# Altium PCB Audio-Beamformer_V1.0.PcbDoc (part 6 of 11)
Units mm, origin at the board's own origin, x right, y up, seen from the top; angles counter-clockwise.
Board outline 300 x 376 mm, 2 copper layers (Top Layer, Bottom Layer), stack 1.548 mm thick; 1137 components, 629 nets, 3569 pads, 2808 vias.
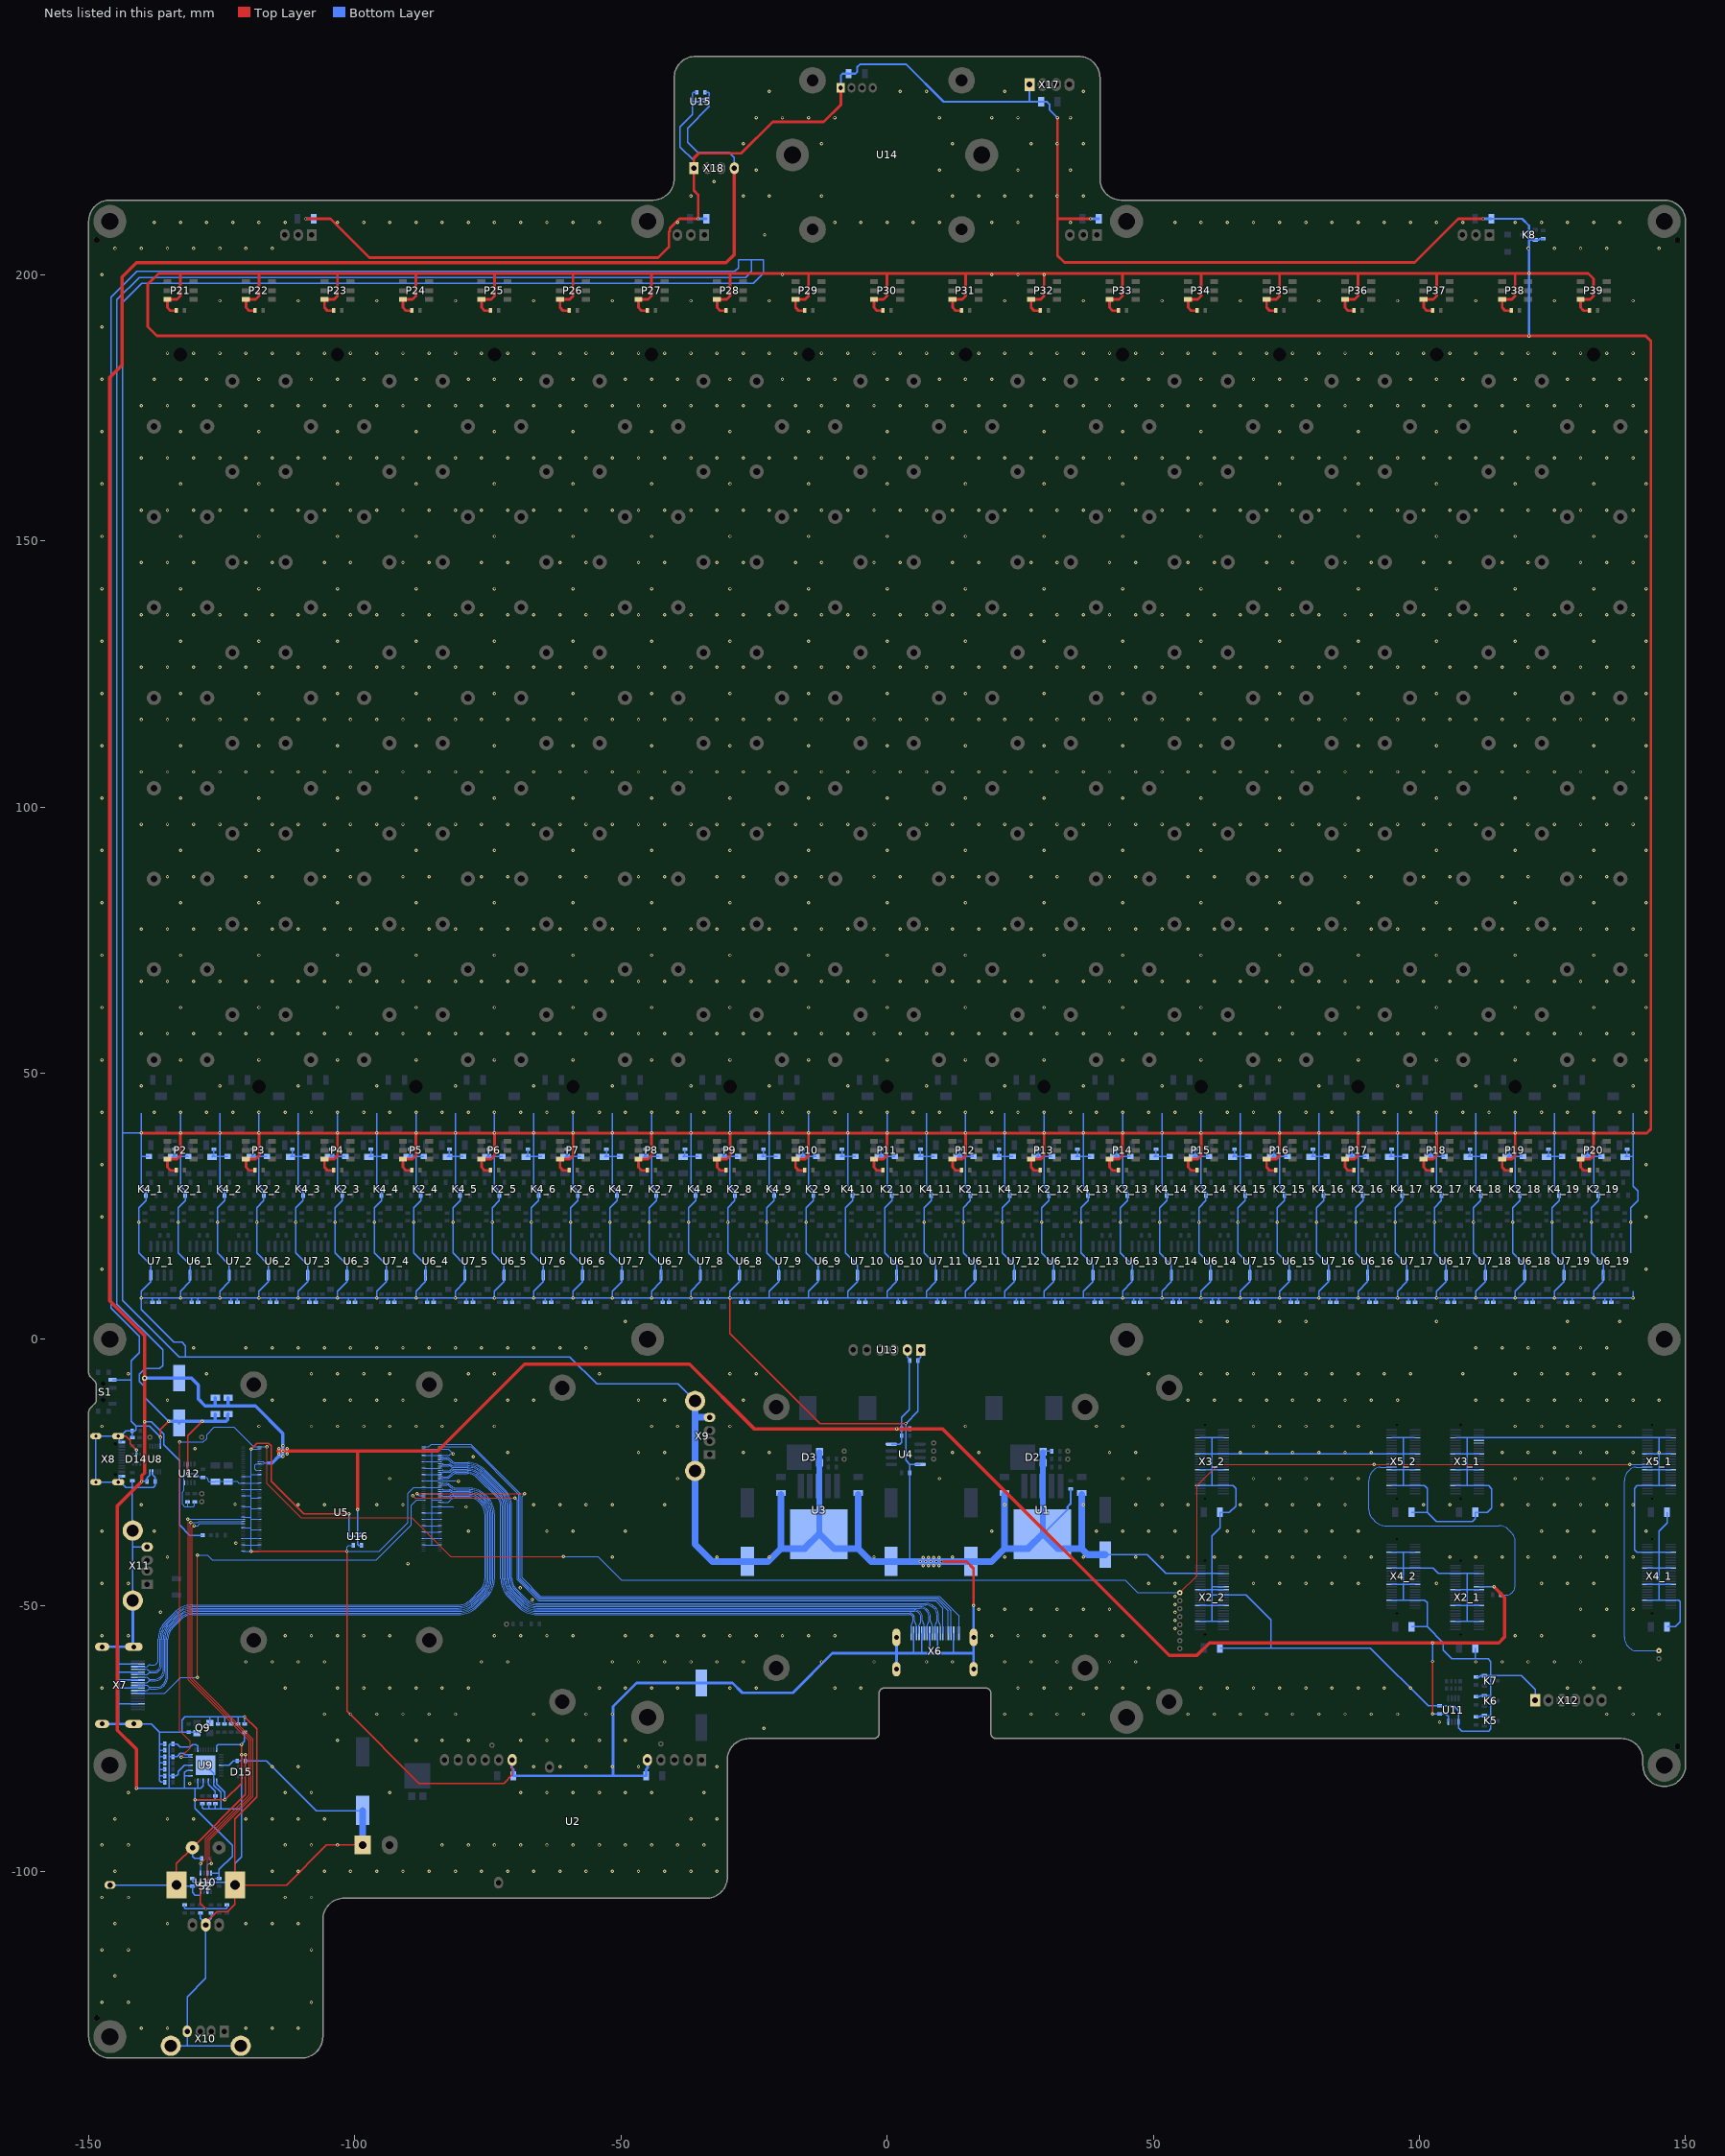
[diagram p6: the nets of this part, all layers, seen from the top]

## Via types
v1: diameter 0.62, hole 0.3, Top Layer to Bottom Layer, tented both sides, 2808 vias

## Nets (pads, with @x,y where several pads share a name; then routed paths per layer and width w, separated by ;. In a path a pad name is that pad's centre, name@x,y a point inside that pad or via, vN(x,y) a via of type N, cw(c..) or ccw(c..) an arc to the next point about the centre after c; other vN are vias at no path point) (continued)
A14_2: (continued)
  other v1: -140.125,-129.417 -135.208,-129.417 -120.458,-129.417 -115.542,-129.417 -110.625,-129.417 -147.5,-124.5 -142.583,-124.5 -108.167,-124.5 -145.042,-119.583 -147.5,-114.667 -142.583,-114.667 -108.167,-114.667 -145.042,-109.75 -135.208,-109.75 -120.458,-109.75 -115.542,-109.75 -110.625,-109.75 -147.5,-104.833 -142.583,-104.833 -113.083,-104.833 -108.167,-104.833 -145.042,-99.917 -115.542,-99.917 -110.625,-99.917 -105.708,-99.917 -100.792,-99.917 -95.875,-99.917 -90.958,-99.917 -86.042,-99.917 -81.125,-99.917 -76.208,-99.917 -71.292,-99.917 -66.375,-99.917 -61.458,-99.917 -56.542,-99.917 -51.625,-99.917 -46.708,-99.917 -41.792,-99.917 -36.875,-99.917 -31.958,-99.917 -147.5,-95 -142.583,-95 -113.083,-95 -108.167,-95 -103.25,-95 -83.583,-95 -78.667,-95 -73.75,-95 -68.833,-95 -63.917,-95 -59,-95 -54.083,-95 -49.167,-95 -44.25,-95 -39.333,-95 -34.417,-95 -145.042,-90.083 -135.208,-90.083 -130.292,-90.083 -120.458,-90.083 -115.542,-90.083 -110.625,-90.083 -105.708,-90.083 -36.875,-90.083 -31.958,-90.083 -142.583,-85.167 -113.083,-85.167 -108.167,-85.167 -93.417,-85.167 -68.833,-85.167 -63.917,-85.167 -59,-85.167 -54.083,-85.167 -49.167,-85.167 -44.25,-85.167 -34.417,-85.167 -131,-83.4 -115.542,-80.25 -110.625,-80.25 -66.375,-80.25 -61.458,-80.25 -56.542,-80.25 -51.625,-80.25 -46.708,-80.25 -31.958,-80.25 -103.25,-75.333 -88.5,-75.333 -83.583,-75.333 -78.667,-75.333 -68.833,-75.333 -63.917,-75.333 -59,-75.333 -54.083,-75.333 -49.167,-75.333 -23.15,-73.075 103.8,-71.9 -105.708,-70.417 -100.792,-70.417 -95.875,-70.417 -90.958,-70.417 -86.042,-70.417 -81.125,-70.417 -66.375,-70.417 -56.542,-70.417 -51.625,-70.417 22.125,-70.417 27.042,-70.417 31.958,-70.417 36.875,-70.417 56.542,-70.417 61.458,-70.417 66.375,-70.417 71.292,-70.417 76.208,-70.417 81.125,-70.417 86.042,-70.417 90.958,-70.417 95.875,-70.417 135.208,-70.417 140.125,-70.417 145.042,-70.417 -147.5,-65.5 -113.083,-65.5 -103.25,-65.5 -98.333,-65.5 -93.417,-65.5 -88.5,-65.5 -83.583,-65.5 -78.667,-65.5 -54.083,-65.5 -49.167,-65.5 -44.25,-65.5 -39.333,-65.5 -29.5,-65.5 -24.583,-65.5 -9.833,-65.5 -4.917,-65.5 24.583,-65.5 29.5,-65.5 34.417,-65.5 39.333,-65.5 44.25,-65.5 49.167,-65.5 59,-65.5 63.917,-65.5 68.833,-65.5 73.75,-65.5 78.667,-65.5 83.583,-65.5 88.5,-65.5 93.417,-65.5 98.333,-65.5 127.833,-65.5 132.75,-65.5 137.667,-65.5 -120.458,-60.583 -115.542,-60.583 -110.625,-60.583 -105.708,-60.583 -76.208,-60.583 -71.292,-60.583 -51.625,-60.583 -46.708,-60.583 -41.792,-60.583 -36.875,-60.583 -31.958,-60.583 -27.042,-60.583 -12.292,-60.583 -2.458,-60.583 7.375,-60.583 12.292,-60.583 22.125,-60.583 27.042,-60.583 31.958,-60.583 41.792,-60.583 46.708,-60.583 110.625,-60.583 115.542,-60.583 120.458,-60.583 125.375,-60.583 130.292,-60.583 -147.5,-55.667 -142.583,-55.667 -113.083,-55.667 -108.167,-55.667 -103.25,-55.667 -98.333,-55.667 -93.417,-55.667 -73.75,-55.667 -68.833,-55.667 -63.917,-55.667 -59,-55.667 -49.167,-55.667 -44.25,-55.667 -39.333,-55.667 -34.417,-55.667 -29.5,-55.667 -24.583,-55.667 -19.667,-55.667 -14.75,-55.667 -9.833,-55.667 19.667,-55.667 24.583,-55.667 29.5,-55.667 34.417,-55.667 39.333,-55.667 44.25,-55.667 118,-55.667 122.917,-55.667 132.75,-55.667 54.1,-54.3 54.1,-52.8 54.1,-51.3 -136.475,-51.25 17.208,-50.75 22.125,-50.75 27.042,-50.75 31.958,-50.75 36.875,-50.75 41.792,-50.75 130.292,-50.75 135.208,-50.75 140.125,-50.75 54.1,-49.8 -66.7,-48.9 54.1,-48.3 -68.9,-46.7 -147.5,-45.833 -142.583,-45.833 49.167,-45.833 54.083,-45.833 68.833,-45.833 73.75,-45.833 78.667,-45.833 83.583,-45.833 88.5,-45.833 103.25,-45.833 122.917,-45.833 127.833,-45.833 132.75,-45.833 6.75,-42.5 7.75,-42.5 8.75,-42.5 9.75,-42.5 -90,-42.125 6.25,-41.75 6.75,-41 7.75,-41 8.75,-41 9.75,-41 -135.208,-40.917 -51.625,-40.917 -31.958,-40.917 -22.125,-40.917 -2.458,-40.917 12.292,-40.917 22.125,-40.917 36.875,-40.917 46.708,-40.917 51.625,-40.917 56.542,-40.917 61.458,-40.917 66.375,-40.917 71.292,-40.917 76.208,-40.917 81.125,-40.917 86.042,-40.917 90.958,-40.917 105.708,-40.917 110.625,-40.917 115.542,-40.917 120.458,-40.917 125.375,-40.917 130.292,-40.917 135.208,-40.917 140.125,-40.917 -122.325,-38.3 -147.5,-36 -137.667,-36 -78.667,-36 -63.917,-36 -59,-36 -49.167,-36 19.667,-36 39.333,-36 44.25,-36 49.167,-36 54.083,-36 63.917,-36 68.833,-36 73.75,-36 78.667,-36 83.583,-36 88.5,-36 122.917,-36 127.833,-36 132.75,-36 142.583,-36 -79.1,-31.475 -140.125,-31.083 -110.625,-31.083 -105.708,-31.083 -95.875,-31.083 -90.958,-31.083 -66.375,-31.083 -61.458,-31.083 -56.542,-31.083 -51.625,-31.083 -41.792,-31.083 22.125,-31.083 36.875,-31.083 46.708,-31.083 51.625,-31.083 56.542,-31.083 66.375,-31.083 71.292,-31.083 76.208,-31.083 81.125,-31.083 86.042,-31.083 100.792,-31.083 105.708,-31.083 115.542,-31.083 120.458,-31.083 125.375,-31.083 130.292,-31.083 135.208,-31.083 140.125,-31.083 -122.5,-31 -80.525,-26.625 -93.417,-26.167 -39.333,-26.167 9.833,-26.167 44.25,-26.167 49.167,-26.167 68.833,-26.167 73.75,-26.167 78.667,-26.167 83.583,-26.167 88.5,-26.167 118,-26.167 122.917,-26.167 127.833,-26.167 132.75,-26.167 -77.775,-22.05 -71.292,-21.25 -46.708,-21.25 -41.792,-21.25 -27.042,-21.25 -22.125,-21.25 12.292,-21.25 17.208,-21.25 41.792,-21.25 46.708,-21.25 66.375,-21.25 71.292,-21.25 76.208,-21.25 81.125,-21.25 86.042,-21.25 90.958,-21.25 115.542,-21.25 120.458,-21.25 125.375,-21.25 130.292,-21.25 135.208,-21.25 140.125,-21.25 145.042,-21.25 -130,-20.5 -147.5,-16.333 -118,-16.333 -108.167,-16.333 -103.25,-16.333 -98.333,-16.333 -93.417,-16.333 -88.5,-16.333 -83.583,-16.333 -73.75,-16.333 -44.25,-16.333 -39.333,-16.333 -29.5,-16.333 14.75,-16.333 39.333,-16.333 44.25,-16.333 68.833,-16.333 73.75,-16.333 78.667,-16.333 83.583,-16.333 88.5,-16.333 118,-16.333 122.917,-16.333 127.833,-16.333 132.75,-16.333 137.667,-16.333 -135.208,-11.417 -115.542,-11.417 -105.708,-11.417 -100.792,-11.417 -95.875,-11.417 -90.958,-11.417 -81.125,-11.417 -71.292,-11.417 -66.375,-11.417 -46.708,-11.417 -41.792,-11.417 -27.042,-11.417 56.542,-11.417 61.458,-11.417 66.375,-11.417 71.292,-11.417 76.208,-11.417 81.125,-11.417 86.042,-11.417 90.958,-11.417 95.875,-11.417 110.625,-11.417 115.542,-11.417 120.458,-11.417 125.375,-11.417 130.292,-11.417 135.208,-11.417 140.125,-11.417 145.042,-11.417 -142.583,-6.5 -127.833,-6.5 -108.167,-6.5 -103.25,-6.5 -98.333,-6.5 -93.417,-6.5 -78.667,-6.5 -73.75,-6.5 -54.083,-6.5 -29.5,-6.5 -24.583,-6.5 49.167,-6.5 59,-6.5 63.917,-6.5 68.833,-6.5 73.75,-6.5 78.667,-6.5 83.583,-6.5 88.5,-6.5 93.417,-6.5 98.333,-6.5 108.167,-6.5 118,-6.5 122.917,-6.5 127.833,-6.5 132.75,-6.5 137.667,-6.5 -130.292,-1.583 -120.458,-1.583 -115.542,-1.583 -110.625,-1.583 -105.708,-1.583 -100.792,-1.583 -95.875,-1.583 -90.958,-1.583 -86.042,-1.583 -81.125,-1.583 -76.208,-1.583 -71.292,-1.583 -66.375,-1.583 -61.458,-1.583 -56.542,-1.583 110.625,-1.583 115.542,-1.583 120.458,-1.583 125.375,-1.583 130.292,-1.583 135.208,-1.583 -49.167,3.333 59,3.333 63.917,3.333 73.75,3.333 78.667,3.333 103.25,3.333 127.833,3.333 137.667,3.333 -147.5,13.167 142.583,13.167 -140.561,22 -133.186,22 -125.811,22 -118.436,22 -111.061,22 -103.686,22 -96.311,22 -88.936,22 -81.561,22 -74.186,22 -66.811,22 -59.436,22 -52.061,22 -44.686,22 -37.311,22 -29.936,22 -22.561,22 -15.186,22 6.939,22 14.314,22 21.689,22 29.064,22 36.439,22 43.814,22 51.189,22 58.564,22 65.939,22 73.314,22 80.689,22 88.064,22 95.439,22 102.814,22 110.189,22 117.564,22 124.939,22 132.314,22 139.689,22 -147.5,23 142.583,23 -147.5,32.833 142.583,32.833 -147.5,42.667 -137.667,42.667 -132.75,42.667 -127.833,42.667 -122.917,42.667 -118,42.667 -113.083,42.667 -108.167,42.667 -103.25,42.667 -98.333,42.667 -93.417,42.667 -88.5,42.667 -83.583,42.667 -78.667,42.667 -73.75,42.667 -68.833,42.667 -63.917,42.667 -59,42.667 -54.083,42.667 -49.167,42.667 -44.25,42.667 -39.333,42.667 -34.417,42.667 -29.5,42.667 -24.583,42.667 -19.667,42.667 -14.75,42.667 -9.833,42.667 -4.917,42.667 0,42.667 4.917,42.667 9.833,42.667 14.75,42.667 19.667,42.667 24.583,42.667 29.5,42.667 34.417,42.667 39.333,42.667 44.25,42.667 49.167,42.667 54.083,42.667 59,42.667 63.917,42.667 68.833,42.667 73.75,42.667 78.667,42.667 83.583,42.667 88.5,42.667 93.417,42.667 98.333,42.667 103.25,42.667 108.167,42.667 113.083,42.667 118,42.667 122.917,42.667 127.833,42.667 132.75,42.667 137.667,42.667 142.583,42.667 -140.125,47.583 -125.375,47.583 -110.625,47.583 -95.875,47.583 -81.125,47.583 -66.375,47.583 -51.625,47.583 -36.875,47.583 -22.125,47.583 -7.375,47.583 7.375,47.583 22.125,47.583 36.875,47.583 51.625,47.583 66.375,47.583 81.125,47.583 95.875,47.583 110.625,47.583 125.375,47.583 140.125,47.583 -147.5,52.5 -132.75,52.5 -118,52.5 -103.25,52.5 -88.5,52.5 -73.75,52.5 -59,52.5 -44.25,52.5 -29.5,52.5 -14.75,52.5 0,52.5 14.75,52.5 29.5,52.5 44.25,52.5 59,52.5 73.75,52.5 88.5,52.5 103.25,52.5 118,52.5 132.75,52.5 142.583,52.5 -140.125,57.417 -135.208,57.417 -130.292,57.417 -125.375,57.417 -120.458,57.417 -115.542,57.417 -110.625,57.417 -105.708,57.417 -100.792,57.417 -95.875,57.417 -90.958,57.417 -86.042,57.417 -81.125,57.417 -76.208,57.417 -71.292,57.417 -66.375,57.417 -61.458,57.417 -56.542,57.417 -51.625,57.417 -46.708,57.417 -41.792,57.417 -36.875,57.417 -31.958,57.417 -27.042,57.417 -22.125,57.417 -17.208,57.417 -12.292,57.417 -7.375,57.417 -2.458,57.417 2.458,57.417 7.375,57.417 12.292,57.417 17.208,57.417 22.125,57.417 27.042,57.417 31.958,57.417 36.875,57.417 41.792,57.417 46.708,57.417 51.625,57.417 56.542,57.417 61.458,57.417 66.375,57.417 71.292,57.417 76.208,57.417 81.125,57.417 86.042,57.417 90.958,57.417 95.875,57.417 100.792,57.417 105.708,57.417 110.625,57.417 115.542,57.417 120.458,57.417 125.375,57.417 130.292,57.417 135.208,57.417 140.125,57.417 -147.5,62.333 -132.75,62.333 -118,62.333 -103.25,62.333 -88.5,62.333 -73.75,62.333 -59,62.333 -44.25,62.333 -29.5,62.333 -14.75,62.333 0,62.333 14.75,62.333 29.5,62.333 44.25,62.333 59,62.333 73.75,62.333 88.5,62.333 103.25,62.333 118,62.333 132.75,62.333 142.583,62.333 -140.125,67.25 -135.208,67.25 -130.292,67.25 -125.375,67.25 -120.458,67.25 -115.542,67.25 -110.625,67.25 -105.708,67.25 -100.792,67.25 -95.875,67.25 -90.958,67.25 -86.042,67.25 -81.125,67.25 -76.208,67.25 -71.292,67.25 -66.375,67.25 -61.458,67.25 -56.542,67.25 -51.625,67.25 -46.708,67.25 -41.792,67.25 -36.875,67.25 -31.958,67.25 -27.042,67.25 -22.125,67.25 -17.208,67.25 -12.292,67.25 -7.375,67.25 -2.458,67.25 2.458,67.25 7.375,67.25 12.292,67.25 17.208,67.25 22.125,67.25 27.042,67.25 31.958,67.25 36.875,67.25 41.792,67.25 46.708,67.25 51.625,67.25 56.542,67.25 61.458,67.25 66.375,67.25 71.292,67.25 76.208,67.25 81.125,67.25 86.042,67.25 90.958,67.25 95.875,67.25 100.792,67.25 105.708,67.25 110.625,67.25 115.542,67.25 120.458,67.25 125.375,67.25 130.292,67.25 135.208,67.25 140.125,67.25 -147.5,72.167 -132.75,72.167 -118,72.167 -103.25,72.167 -88.5,72.167 -73.75,72.167 -59,72.167 -44.25,72.167 -29.5,72.167 -14.75,72.167 0,72.167 14.75,72.167 29.5,72.167 44.25,72.167 59,72.167 73.75,72.167 88.5,72.167 103.25,72.167 118,72.167 132.75,72.167 142.583,72.167 -140.125,77.083 -135.208,77.083 -130.292,77.083 -125.375,77.083 -120.458,77.083 -115.542,77.083 -110.625,77.083 -105.708,77.083 -100.792,77.083 -95.875,77.083 -90.958,77.083 -86.042,77.083 -81.125,77.083 -76.208,77.083 -71.292,77.083 -66.375,77.083 -61.458,77.083 -56.542,77.083 -51.625,77.083 -46.708,77.083 -41.792,77.083 -36.875,77.083 -31.958,77.083 -27.042,77.083 -22.125,77.083 -17.208,77.083 -12.292,77.083 -7.375,77.083 -2.458,77.083 2.458,77.083 7.375,77.083 12.292,77.083 17.208,77.083 22.125,77.083 27.042,77.083 31.958,77.083 36.875,77.083 41.792,77.083 46.708,77.083 51.625,77.083 56.542,77.083 61.458,77.083 66.375,77.083 71.292,77.083 76.208,77.083 81.125,77.083 86.042,77.083 90.958,77.083 95.875,77.083 100.792,77.083 105.708,77.083 110.625,77.083 115.542,77.083 120.458,77.083 125.375,77.083 130.292,77.083 135.208,77.083 140.125,77.083 -147.5,82 -132.75,82 -118,82 -103.25,82 -88.5,82 -73.75,82 -59,82 -44.25,82 -29.5,82 -14.75,82 0,82 14.75,82 29.5,82 44.25,82 59,82 73.75,82 88.5,82 103.25,82 118,82 132.75,82 142.583,82 -135.208,86.917 -130.292,86.917 -120.458,86.917 -115.542,86.917 -105.708,86.917 -100.792,86.917 -90.958,86.917 -86.042,86.917 -76.208,86.917 -71.292,86.917 -61.458,86.917 -56.542,86.917 -46.708,86.917 -41.792,86.917 -31.958,86.917 -27.042,86.917 -17.208,86.917 -12.292,86.917 -2.458,86.917 2.458,86.917 12.292,86.917 17.208,86.917 27.042,86.917 31.958,86.917 41.792,86.917 46.708,86.917 56.542,86.917 61.458,86.917 71.292,86.917 76.208,86.917 86.042,86.917 90.958,86.917 100.792,86.917 105.708,86.917 115.542,86.917 120.458,86.917 130.292,86.917 135.208,86.917 -147.5,91.833 -132.75,91.833 -118,91.833 -103.25,91.833 -88.5,91.833 -73.75,91.833 -59,91.833 -44.25,91.833 -29.5,91.833 -14.75,91.833 0,91.833 14.75,91.833 29.5,91.833 44.25,91.833 59,91.833 73.75,91.833 88.5,91.833 103.25,91.833 118,91.833 132.75,91.833 142.583,91.833 -140.125,96.75 -135.208,96.75 -130.292,96.75 -125.375,96.75 -120.458,96.75 -115.542,96.75 -110.625,96.75 -105.708,96.75 -100.792,96.75 -95.875,96.75 -90.958,96.75 -86.042,96.75 -81.125,96.75 -76.208,96.75 -71.292,96.75 -66.375,96.75 -61.458,96.75 -56.542,96.75 -51.625,96.75 -46.708,96.75 -41.792,96.75 -36.875,96.75 -31.958,96.75 -27.042,96.75 -22.125,96.75 -17.208,96.75 -12.292,96.75 -7.375,96.75 -2.458,96.75 2.458,96.75 7.375,96.75 12.292,96.75 17.208,96.75 22.125,96.75 27.042,96.75 31.958,96.75 36.875,96.75 41.792,96.75 46.708,96.75 51.625,96.75 56.542,96.75 61.458,96.75 66.375,96.75 71.292,96.75 76.208,96.75 81.125,96.75 86.042,96.75 90.958,96.75 95.875,96.75 100.792,96.75 105.708,96.75 110.625,96.75 115.542,96.75 120.458,96.75 125.375,96.75 130.292,96.75 135.208,96.75 140.125,96.75 -147.5,101.667 -132.75,101.667 -118,101.667 -103.25,101.667 -88.5,101.667 -73.75,101.667 -59,101.667 -44.25,101.667 -29.5,101.667 -14.75,101.667 0,101.667 14.75,101.667 29.5,101.667 44.25,101.667 59,101.667 73.75,101.667 88.5,101.667 103.25,101.667 118,101.667 132.75,101.667 142.583,101.667 -140.125,106.583 -135.208,106.583 -130.292,106.583 -125.375,106.583 -120.458,106.583 -115.542,106.583 -110.625,106.583 -105.708,106.583 -100.792,106.583 -95.875,106.583 -90.958,106.583 -86.042,106.583 -81.125,106.583 -76.208,106.583 -71.292,106.583 -66.375,106.583 -61.458,106.583 -56.542,106.583 -51.625,106.583 -46.708,106.583 -41.792,106.583 -36.875,106.583 -31.958,106.583 -27.042,106.583 -22.125,106.583 -17.208,106.583 -12.292,106.583 -7.375,106.583 -2.458,106.583 2.458,106.583 7.375,106.583 12.292,106.583 17.208,106.583 22.125,106.583 27.042,106.583 31.958,106.583 36.875,106.583 41.792,106.583 46.708,106.583 51.625,106.583 56.542,106.583 61.458,106.583 66.375,106.583 71.292,106.583 76.208,106.583 81.125,106.583 86.042,106.583 90.958,106.583 95.875,106.583 100.792,106.583 105.708,106.583 110.625,106.583 115.542,106.583 120.458,106.583 125.375,106.583 130.292,106.583 135.208,106.583 140.125,106.583 -147.5,111.5 -132.75,111.5 -118,111.5 -103.25,111.5 -88.5,111.5 -73.75,111.5 -59,111.5 -44.25,111.5 -29.5,111.5 -14.75,111.5 0,111.5 14.75,111.5 29.5,111.5 44.25,111.5 59,111.5 73.75,111.5 88.5,111.5 103.25,111.5 118,111.5 132.75,111.5 142.583,111.5 -140.125,116.417 -135.208,116.417 -130.292,116.417 -125.375,116.417 -120.458,116.417 -115.542,116.417 -110.625,116.417 -105.708,116.417 -100.792,116.417 -95.875,116.417 -90.958,116.417 -86.042,116.417 -81.125,116.417 -76.208,116.417 -71.292,116.417 -66.375,116.417 -61.458,116.417 -56.542,116.417 -51.625,116.417 -46.708,116.417 -41.792,116.417 -36.875,116.417 -31.958,116.417 -27.042,116.417 -22.125,116.417 -17.208,116.417 -12.292,116.417 -7.375,116.417 -2.458,116.417 2.458,116.417 7.375,116.417 12.292,116.417 17.208,116.417 22.125,116.417 27.042,116.417 31.958,116.417 36.875,116.417 41.792,116.417 46.708,116.417 51.625,116.417 56.542,116.417 61.458,116.417 66.375,116.417 71.292,116.417 76.208,116.417 81.125,116.417 86.042,116.417 90.958,116.417 95.875,116.417 100.792,116.417 105.708,116.417 110.625,116.417 115.542,116.417 120.458,116.417 125.375,116.417 130.292,116.417 135.208,116.417 140.125,116.417 -147.5,121.333 -132.75,121.333 -118,121.333 -103.25,121.333 -88.5,121.333 -73.75,121.333 -59,121.333 -44.25,121.333 -29.5,121.333 -14.75,121.333 0,121.333 14.75,121.333 29.5,121.333 44.25,121.333 59,121.333 73.75,121.333 88.5,121.333 103.25,121.333 118,121.333 132.75,121.333 142.583,121.333 -140.125,126.25 -135.208,126.25 -130.292,126.25 -125.375,126.25 -120.458,126.25 -115.542,126.25 -110.625,126.25 -105.708,126.25 -100.792,126.25 -95.875,126.25 -90.958,126.25 -86.042,126.25 -81.125,126.25 -76.208,126.25 -71.292,126.25 -66.375,126.25 -61.458,126.25 -56.542,126.25 -51.625,126.25 -46.708,126.25 -41.792,126.25 -36.875,126.25 -31.958,126.25 -27.042,126.25 -22.125,126.25 -17.208,126.25 -12.292,126.25 -7.375,126.25 -2.458,126.25 2.458,126.25 7.375,126.25 12.292,126.25 17.208,126.25 22.125,126.25 27.042,126.25 31.958,126.25 36.875,126.25 41.792,126.25 46.708,126.25 51.625,126.25 56.542,126.25 61.458,126.25 66.375,126.25 71.292,126.25 76.208,126.25 81.125,126.25 86.042,126.25 90.958,126.25 95.875,126.25 100.792,126.25 105.708,126.25 110.625,126.25 115.542,126.25 120.458,126.25 125.375,126.25 130.292,126.25 135.208,126.25 140.125,126.25 -147.5,131.167 -132.75,131.167 -118,131.167 -103.25,131.167 -88.5,131.167 -73.75,131.167 -59,131.167 -44.25,131.167 -29.5,131.167 -14.75,131.167 0,131.167 14.75,131.167 29.5,131.167 44.25,131.167 59,131.167 73.75,131.167 88.5,131.167 103.25,131.167 118,131.167 132.75,131.167 142.583,131.167 -140.125,136.083 -135.208,136.083 -130.292,136.083 -125.375,136.083 -120.458,136.083 -115.542,136.083 -110.625,136.083 -105.708,136.083 -100.792,136.083 -95.875,136.083 -90.958,136.083 -86.042,136.083 -81.125,136.083 -76.208,136.083 -71.292,136.083 -66.375,136.083 -61.458,136.083 -56.542,136.083 -51.625,136.083 -46.708,136.083 -41.792,136.083 -36.875,136.083 -31.958,136.083 -27.042,136.083 -22.125,136.083 -17.208,136.083 -12.292,136.083 -7.375,136.083 -2.458,136.083 2.458,136.083 7.375,136.083 12.292,136.083 17.208,136.083 22.125,136.083 27.042,136.083 31.958,136.083 36.875,136.083 41.792,136.083 46.708,136.083 51.625,136.083 56.542,136.083 61.458,136.083 66.375,136.083 71.292,136.083 76.208,136.083 81.125,136.083 86.042,136.083 90.958,136.083 95.875,136.083 100.792,136.083 105.708,136.083 110.625,136.083 115.542,136.083 120.458,136.083 125.375,136.083 130.292,136.083 135.208,136.083 140.125,136.083 -147.5,141 -132.75,141 -118,141 -103.25,141 -88.5,141 -73.75,141 -59,141 -44.25,141 -29.5,141 -14.75,141 0,141 14.75,141 29.5,141 44.25,141 59,141 73.75,141 88.5,141 103.25,141 118,141 132.75,141 142.583,141 -140.125,145.917 -135.208,145.917 -130.292,145.917 -120.458,145.917 -115.542,145.917 -105.708,145.917 -100.792,145.917 -90.958,145.917 -86.042,145.917 -76.208,145.917 -71.292,145.917 -61.458,145.917 -56.542,145.917 -46.708,145.917 -41.792,145.917 -31.958,145.917 -27.042,145.917 -17.208,145.917 -12.292,145.917 -2.458,145.917 2.458,145.917 12.292,145.917 17.208,145.917 27.042,145.917 31.958,145.917 41.792,145.917 46.708,145.917 56.542,145.917 61.458,145.917 71.292,145.917 76.208,145.917 86.042,145.917 90.958,145.917 100.792,145.917 105.708,145.917 115.542,145.917 120.458,145.917 130.292,145.917 135.208,145.917 140.125,145.917 -147.5,150.833 -132.75,150.833 -118,150.833 -103.25,150.833 -88.5,150.833 -73.75,150.833 -59,150.833 -44.25,150.833 -29.5,150.833 -14.75,150.833 0,150.833 14.75,150.833 29.5,150.833 44.25,150.833 59,150.833 73.75,150.833 88.5,150.833 103.25,150.833 118,150.833 132.75,150.833 142.583,150.833 -140.125,155.75 -135.208,155.75 -130.292,155.75 -125.375,155.75 -120.458,155.75 -115.542,155.75 -110.625,155.75 -105.708,155.75 -100.792,155.75 -95.875,155.75 -90.958,155.75 -86.042,155.75 -81.125,155.75 -76.208,155.75 -71.292,155.75 -66.375,155.75 -61.458,155.75 -56.542,155.75 -51.625,155.75 -46.708,155.75 -41.792,155.75 -36.875,155.75 -31.958,155.75 -27.042,155.75 -22.125,155.75 -17.208,155.75 -12.292,155.75 -7.375,155.75 -2.458,155.75 2.458,155.75 7.375,155.75 12.292,155.75 17.208,155.75 